# KiCad board nvme Carrier for LattePanda Mu.kicad_pcb (continued)
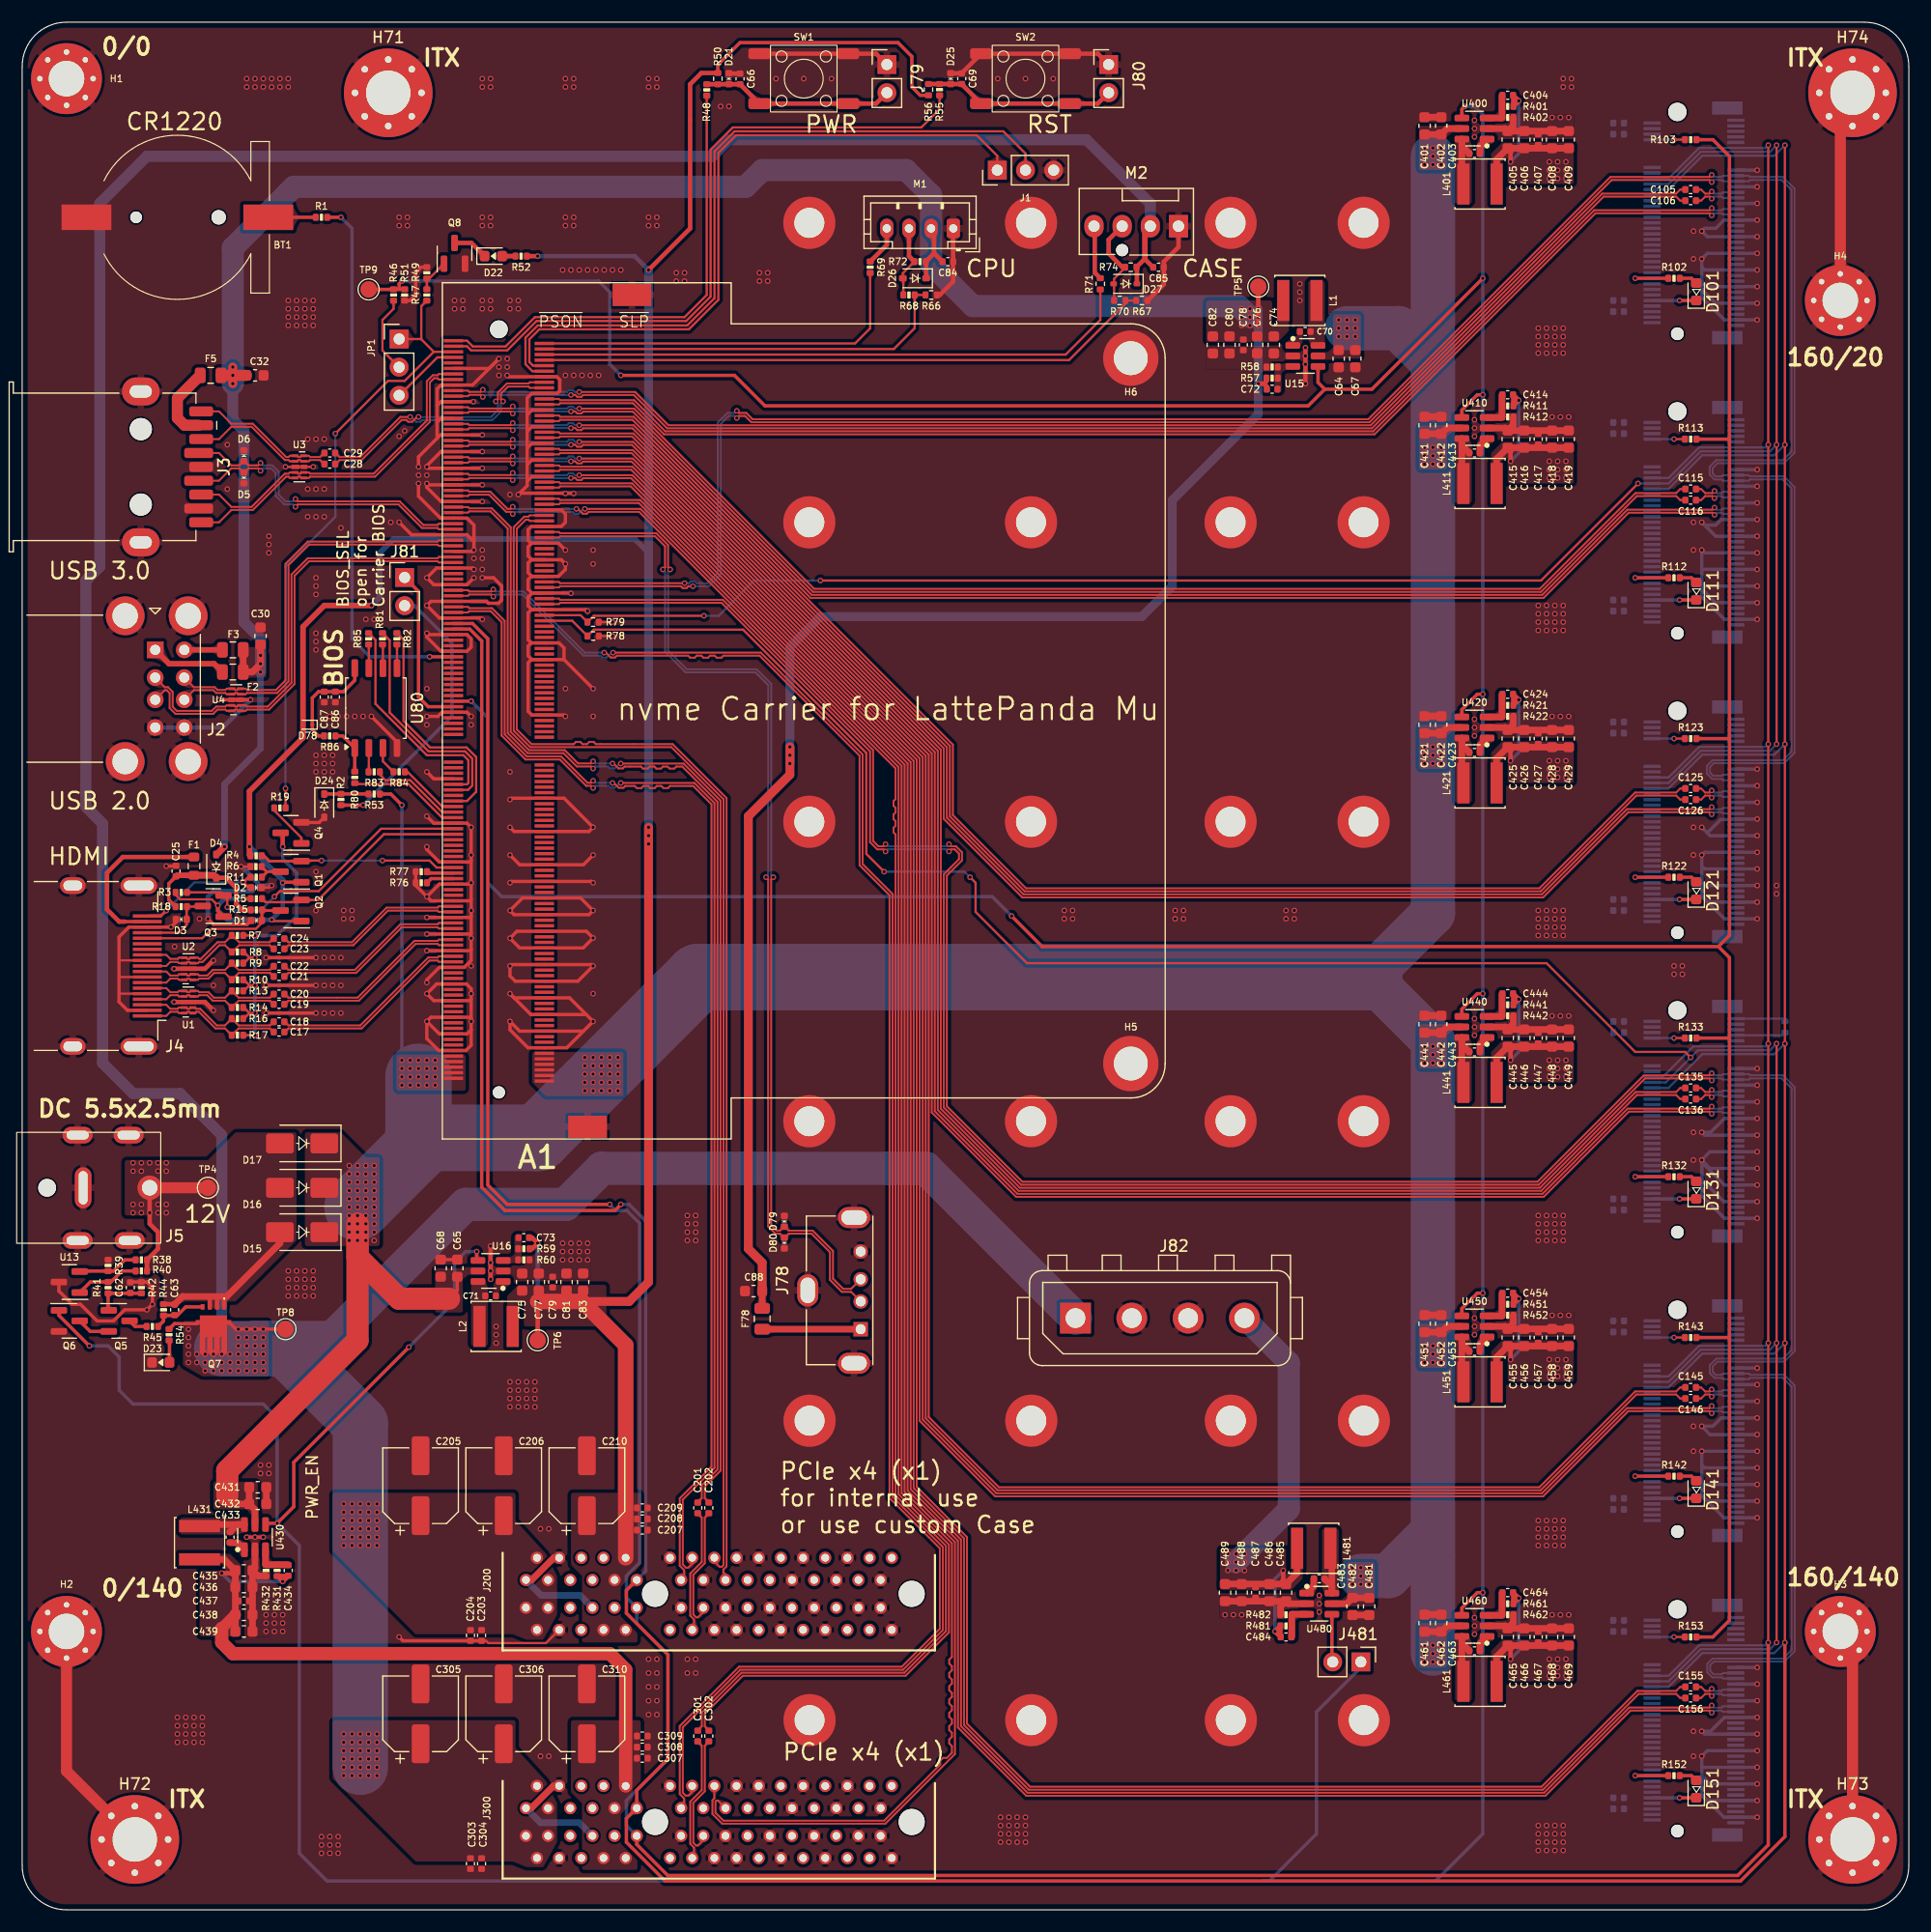
[diagram p0: board, top side]
## Routing (per net, layer and track width the routed paths; a pad name or vN(x,y) marks a point on that pad's centre or on a via; arc(x,y) is an arc through that point) (continued)
  Top w0.4: v1(115.75,140.85) v1(115.75,137.6) ; M1.1 83.97,151.58 83.97,146.8 82.77,145.6 R66.2 ; M2.1 104.3,149.92 102.98,148.6 102.98,146.56 101.52,145.1 R67.2 ; v1(42.25,56.85) v1(42.25,59.85) ; v1(17.25,85.6) 17.24,85.6 16.49,84.85 v1(13.7,84.85) ; v1(13.7,81.85) 16.49,81.85 17.24,81.1 v1(17.25,81.1) ; J80.1 97.02,167.35 SW2.2 SW2.2 84.75,165.6 C69.2 83.76,165.58 83.75,165.59 ; SW1.2 SW1.2 77.02,167.35 J79.1 ; D21.1 63.77,165.56 C66.2 64.75,165.6
  Top w0.6: C455.1 C459.1 ; C455.1 133.77,52.6 U450.2 ; C455.1 134.5,52.88 134.5,53.6 ; C462.1 C461.1 ; U420.2 133.77,106.6 C425.1 ; C435.1 C439.1 ; C435.1 21.27,30.1 22,30.1 ; C435.1 21,30.83 U430.2 ; C452.1 C451.1 ; 134.5,26.6 134.5,25.88 C465.1 ; 134.5,80.6 134.5,79.88 C445.1 ; C425.1 C429.1 ; C425.1 134.5,106.88 134.5,107.6 ; C415.1 133.77,133.6 U410.2 ; C415.1 134.5,133.88 134.5,134.6 ; C415.1 C419.1 ; C485.1 C489.1 ; C485.1 114.22,27.6 U480.2 ; C485.1 113.5,27.33 113.5,26.6 ; C412.1 C411.1 ; 134.5,161.6 134.5,160.88 C405.1 ; C402.1 C401.1 ; C442.1 C441.1 ; U460.2 133.77,25.6 C465.1 ; U440.2 133.77,79.6 C445.1 ; J200.A1 45.95,29.74 47.95,31.74 J200.A4 ; C405.1 133.77,160.6 U400.2 ; C405.1 C409.1 ; J300.A1 45.92,9.17 47.92,11.17 J300.A4 ; C445.1 C449.1 ; C482.1 C481.1 ; C432.1 C431.1 ; C465.1 C469.1 ; C422.1 C421.1
  Top w1: H3.1 165.1,24 H73.1 ; H74.1 164,162.73 H4.1 ; H72.1 4,12.51 H2.1
  Bottom w0.2: 159,80.11 158.76,80.35 J130.75
  Bottom w0.3: 151.5,94.1 151.75,93.85 J120.21 v1(156.5,93.85) ; 151.5,94.1 151.5,92.6 ; 151.5,94.1 v1(151.5,95.1) 151.75,95.35 J120.27 v1(156.5,95.35) ; v1(156.5,11.35) J150.15 152.25,11.35 151.5,12.1 ; J150.57 v1(156.5,21.85) ; 151.5,10.35 153.5,8.35 J150.3 v1(156.5,8.35) ; 151.5,10.35 152,9.85 J150.9 v1(156.5,9.85) ; 151.5,10.35 151.5,12.1 ; v1(156.5,144.85) J100.9 152.75,144.85 151.5,146.1 ; J120.45 v1(156.5,99.85) ; v1(156.5,122.35) J110.27 151.75,122.35 v1(151.5,122.6) 151.5,120.85 ; J130.51 v1(156.5,74.35) ; J130.57 v1(156.5,75.85) ; v1(156.5,125.35) J110.39 153.25,125.35 152.75,124.85 151.75,124.85 v1(151.5,125.1) 152.75,123.85 J110.33 v1(156.5,123.85) ; 151.5,146.85 152,146.35 J100.15 v1(156.5,146.35) ; 151.5,146.85 151.5,146.1 ; 151.5,146.85 151.5,148.1 ; v1(156.5,36.85) J140.9 152,36.85 151.5,37.35 ; v1(156.5,65.35) J130.15 153.55,65.35 151.5,67.4 v1(151.5,67.6) ; v1(151.5,67.6) 151.5,64.4 153.55,62.35 J130.3 v1(156.5,62.35) ; v1(151.5,67.6) 152.25,66.85 J130.21 v1(156.5,66.85) ; v1(151.5,67.6) 151.5,65.85 153.5,63.85 J130.9 v1(156.5,63.85) ; v1(151.5,67.6) 152.25,68.35 J130.27 v1(156.5,68.35) ; 151.5,37.35 151.5,38.35 ; 151.5,37.35 153.5,35.35 J140.3 v1(156.5,35.35) ; v1(156.5,90.85) J120.9 152.05,90.85 151.5,91.4 ; J110.57 v1(156.5,129.85) ; 151.5,38.35 J140.15 v1(156.5,38.35) ; 151.5,38.35 151.5,40.1 ; 151.5,91.4 151.5,92.6 ; 151.5,91.4 153.55,89.35 J120.3 v1(156.5,89.35) ; 151.5,92.6 151.75,92.35 J120.15 v1(156.5,92.35) ; v1(156.5,147.85) J100.21 151.75,147.85 151.5,148.1 ; J140.51 v1(156.5,47.35) ; 151.5,146.1 151.5,145.4 153.55,143.35 J100.3 v1(156.5,143.35) ; v1(156.5,42.85) J140.33 152.25,42.85 v1(151.5,43.6) 152.5,43.6 153.25,44.35 J140.39 v1(156.5,44.35) ; J110.45 v1(156.5,126.85) ; 152,97.1 152.25,96.85 J120.33 v1(156.5,96.85) ; 152,97.1 v1(151.5,97.6) ; 152,97.1 153.2,98.3 154.52,98.3 J120.39 v1(156.5,98.35) ; J130.45 v1(156.5,72.85) ; v1(156.5,17.35) J150.39 153.55,17.35 152.3,16.1 v1(151.5,16.1) 151.75,15.85 J150.33 v1(156.5,15.85) ; v1(156.5,71.35) J130.39 153.55,71.35 152.3,70.1 v1(151.5,70.1) 151.75,69.85 J130.33 v1(156.5,69.85) ; J120.51 v1(156.5,101.35) ; 151.5,40.1 151.75,39.85 J140.21 v1(156.5,39.85) ; 151.5,40.1 v1(151.5,41.35) J140.27 v1(156.5,41.35) ; 151.5,12.85 v1(151.5,13.85) 152,14.35 J150.27 v1(156.5,14.35) ; 151.5,12.85 J150.21 v1(156.5,12.85) ; 151.5,12.85 151.5,12.1 ; v1(156.5,116.35) J110.3 153.55,116.35 151.5,118.4 151.5,119.1 ; J120.57 v1(156.5,102.85) ; 151.5,148.1 v1(151.5,148.85) 152,149.35 J100.27 v1(156.5,149.35) ; v1(156.5,117.85) J110.9 152.75,117.85 151.5,119.1 ; 151.5,119.1 151.5,119.6 ; 151.5,119.6 151.75,119.35 J110.15 v1(156.5,119.35) ; 151.5,119.6 151.5,120.85 ; J100.57 v1(156.5,156.85) ; v1(156.5,120.85) J110.21 151.5,120.85 ; J150.51 v1(156.5,20.35) ; v1(156.5,152.35) J100.39 153.5,152.35 152.75,151.6 151.75,151.6 v1(151.5,151.35) 152,150.85 J100.33 v1(156.5,150.85) ; J100.45 v1(156.5,153.85) ; J100.51 v1(156.5,155.35) ; J140.57 v1(156.5,48.85) ; J140.45 v1(156.5,45.85) ; J110.51 v1(156.5,128.35) ; J150.45 v1(156.5,18.85)
  Bottom w0.4: J2.4 J2.8 18.1,106.6 v1(20.6,109.1) ; 21.25,92.35 21.25,92.6 19.79,94.06 v1(19.75,94.06) ; 21.25,92.35 v1(22.5,92.35) ; 21.25,92.35 20.75,91.85 17.25,91.85 16.75,91.35 v1(16.75,89.35)
  Bottom w0.6: J200.A1 46.83,28.35 50.33,28.35 J200.B7 ; J300.B7 50.26,7.85 46.76,7.85 J300.A1
  vias: v1(13.75,86.85) v1(14,17.35) v1(14,16.6) v1(14,15.85) v1(14,15.1) v1(14.75,17.35) v1(14.75,16.6) v1(14.75,15.85) v1(14.75,15.1) v1(15.5,17.35) v1(15.5,16.6) v1(15.5,15.85) v1(15.5,15.1) v1(16,89.35) v1(16.25,17.35) v1(16.25,16.6) v1(16.25,15.85) v1(16.25,15.1) v1(17.25,83.35) v1(18.5,132.1) v1(18.5,128.1) v1(20.25,165.1) v1(20.25,164.35) v1(21,165.1) v1(21,164.35) v1(21.5,40.1) v1(21.5,39.35) v1(21.75,165.1) v1(21.75,164.35) v1(22,26.6) v1(22,25.85) v1(22,25.1) v1(22.25,123.85) v1(22.25,123.1) v1(22.25,122.35) v1(22.25,40.1) v1(22.25,39.35) v1(22.5,165.1) v1(22.5,164.35) v1(22.75,26.6) v1(22.75,25.85) v1(22.75,25.1) v1(23.25,165.1) v1(23.25,164.35) v1(23.5,26.6) v1(23.5,25.85) v1(23.5,25.1) v1(24,165.1) v1(24,164.35) v1(24,145.1) v1(24,144.35) v1(24,143.6) v1(24,142.85) v1(24,57.6) v1(24,56.85) v1(24,56.1) v1(24,55.35) v1(24.75,145.1) v1(24.75,144.35) v1(24.75,143.6) v1(24.75,142.85) v1(24.75,57.6) v1(24.75,56.85) v1(24.75,56.1) v1(24.75,55.35) v1(25.5,145.1) v1(25.5,144.35) v1(25.5,143.6) v1(25.5,142.85) v1(25.5,57.6) v1(25.5,56.85) v1(25.5,56.1) v1(25.5,55.35) v1(25.75,132.6) v1(25.75,128.1) v1(25.75,125.6) v1(26.25,145.1) v1(26.25,144.35) v1(26.25,143.6) v1(26.25,142.85) v1(26.25,57.6) v1(26.25,56.85) v1(26.25,56.1) v1(26.25,55.35) v1(26.5,132.6) v1(26.5,128.1) v1(26.5,125.6) v1(26.5,120.1) v1(26.5,119.35) v1(26.5,118.6) v1(26.5,115.1) v1(26.5,114.35) v1(26.5,113.6) v1(26.5,104.1) v1(26.5,103.35) v1(26.5,102.6) v1(26.5,93.6) v1(26.5,90.1) v1(27,6.6) v1(27,5.85) v1(27,5.1) v1(27.25,132.6) v1(27.25,128.1) v1(27.25,125.6) v1(27.25,104.1) v1(27.25,103.35) v1(27.25,102.6) v1(27.25,85.85) v1(27.25,83.35) v1(27.25,80.85) v1(27.75,107.6) v1(27.75,6.6) v1(27.75,5.85) v1(27.75,5.1) v1(28,104.1) v1(28,103.35) v1(28,102.6) v1(28.5,107.6) v1(28.5,6.6) v1(28.5,5.85) v1(28.5,5.1) v1(28.75,124.6) v1(28.75,85.85) v1(28.75,83.35) v1(28.75,80.85) v1(29,89.35) v1(29.25,107.6) v1(29.75,90.1) v1(29.75,89.35) v1(30,107.6) v1(30.75,107.6) v1(31,116.35) v1(31.75,116.35) v1(33.25,125.1) v1(34,152.6) v1(34,151.85) v1(34,132.85) v1(34.5,133.35) v1(34.75,152.6) v1(34.75,151.85) v1(35.75,129.35) v1(36.5,129.35) v1(36.5,110.1) v1(36.5,106.85) v1(39,145.1) v1(39,144.35) v1(39.75,145.1) v1(39.75,144.35) v1(40.5,106.85) v1(40.5,95.1) v1(40.5,90.1) v1(40.5,87.6) v1(40.5,85.1) v1(40.5,82.6) v1(40.5,80.1) v1(40.75,121.85) v1(41.5,165.1) v1(41.5,164.35) v1(41.5,152.6) v1(41.5,151.85) v1(41.5,145.1) v1(41.5,144.35) v1(41.5,122.6) v1(41.5,121.85) v1(41.5,120.85) v1(42.25,165.1) v1(42.25,164.35) v1(42.25,152.6) v1(42.25,151.85) v1(42.25,145.1) v1(42.25,144.35) v1(42.25,58.35) v1(42.25,57.6) v1(42.75,52.6) v1(42.75,51.85) v1(42.75,51.1) v1(43,139.1) v1(43,138.35) v1(43.75,139.85) v1(43.75,139.1) v1(44,145.1) v1(44,144.35) v1(44,127.6) v1(44,102.6) v1(44,47.6) v1(44,46.85) v1(44,46.1) v1(44,45.35) v1(44.75,145.1) v1(44.75,144.35) v1(44.75,47.6) v1(44.75,46.85) v1(44.75,46.1) v1(44.75,45.35) v1(45.5,47.6) v1(45.5,46.85) v1(45.5,46.1) v1(45.5,45.35) v1(46.25,47.6) v1(46.25,46.85) v1(46.25,46.1) v1(46.25,45.35) v1(47.5,34.35) v1(47.5,13.85) v1(48.75,147.85) v1(48.75,60.1) v1(48.75,59.35) v1(48.75,58.6) v1(49,165.1) v1(49,164.35) v1(49,152.6) v1(49,151.85) v1(49,138.35) v1(49,127.7) v1(49,110.1) v1(49.5,147.85) v1(49.5,60.1) v1(49.5,59.35) v1(49.5,58.6) v1(49.75,165.1) v1(49.75,164.35) v1(49.75,152.6) v1(49.75,151.85) v1(49.75,138.35) v1(50.25,147.85) v1(50.25,60.1) v1(50.25,59.35) v1(50.25,58.6) v1(50.5,138.35) v1(51,147.85) v1(51,60.1) v1(51,59.35) v1(51,58.6) v1(51.25,138.35) v1(51.5,122.6) v1(51.5,121.35) v1(51.5,107.6) v1(51.5,82.6) v1(51.75,147.85) v1(52,138.35) v1(52.5,147.85) v1(53.25,147.85) v1(54,147.85) v1(56.5,165.1) v1(56.5,164.35) v1(56.5,152.6) v1(56.5,151.85) v1(56.5,22.6) v1(56.5,21.35) v1(56.5,20.1) v1(56.5,18.85) v1(56.5,17.6) v1(57.25,165.1) v1(57.25,164.35) v1(57.25,152.6) v1(57.25,151.85) v1(57.25,22.6) v1(57.25,21.35) v1(57.25,20.1) v1(57.25,18.85) v1(57.25,17.6) v1(59,147.6) v1(59,146.85) v1(59.75,147.6) v1(59.75,146.85) v1(60,62.6) v1(60,61.85) v1(60,61.1) v1(60,60.35) v1(60,22.6) v1(60,21.35) v1(60.75,62.6) v1(60.75,61.85) v1(60.75,61.1) v1(60.75,60.35) v1(60.75,22.6) v1(60.75,21.35) v1(63,162.6) v1(63.75,162.6) v1(66.5,147.6) v1(66.5,146.85) v1(67.25,147.6) v1(67.25,146.85) v1(68,165.1) v1(73,165.1) v1(88,165.1) v1(88.25,8.35) v1(88.25,7.6) v1(88.25,6.85) v1(88.25,6.1) v1(89,8.35) v1(89,7.6) v1(89,6.85) v1(89,6.1) v1(89.75,8.35) v1(89.75,7.6) v1(89.75,6.85) v1(89.75,6.1) v1(90.5,165.1) v1(90.5,8.35) v1(90.5,7.6) v1(90.5,6.85) v1(90.5,6.1) v1(93,165.1) v1(94.75,90.1) v1(94.75,89.35) v1(104,90.1) v1(104.75,90.1) v1(104.75,89.35) v1(108.5,26.6) v1(109.25,26.6) v1(110,26.6) v1(114,90.1) v1(114.75,90.1) v1(114.75,89.35) v1(115.25,146.6) v1(115.25,145.85) v1(115.25,145.1) v1(115.75,140.1) v1(115.75,139.35) v1(117,28.35) v1(117,27.6) v1(117,26.85) v1(131,161.35) v1(131,160.6) v1(131,159.85) v1(131,134.35) v1(131,133.6) v1(131,132.85) v1(131,107.35) v1(131,106.6) v1(131,105.85) v1(131,80.35) v1(131,79.6) v1(131,78.85) v1(131,53.35) v1(131,52.6) v1(131,51.85) v1(131,26.35) v1(131,25.6) v1(131,24.85) v1(136.75,142.6) v1(136.75,141.85) v1(136.75,141.1) v1(136.75,140.35) v1(136.75,117.6) v1(136.75,116.85) v1(136.75,116.1) v1(136.75,115.35) v1(136.75,90.1) v1(136.75,89.35) v1(136.75,88.6) v1(136.75,87.85) v1(136.75,62.6) v1(136.75,61.85) v1(136.75,61.1) v1(136.75,60.35) v1(136.75,35.1) v1(136.75,34.35) v1(136.75,33.6) v1(136.75,32.85) v1(136.75,7.6) v1(136.75,6.85) v1(136.75,6.1) v1(136.75,5.35) v1(137.5,142.6) v1(137.5,141.85) v1(137.5,141.1) v1(137.5,140.35) v1(137.5,117.6) v1(137.5,116.85) v1(137.5,116.1) v1(137.5,115.35) v1(137.5,90.1) v1(137.5,89.35) v1(137.5,88.6) v1(137.5,87.85) v1(137.5,62.6) v1(137.5,61.85) v1(137.5,61.1) v1(137.5,60.35) v1(137.5,35.1) v1(137.5,34.35) v1(137.5,33.6) v1(137.5,32.85) v1(137.5,7.6) v1(137.5,6.85) v1(137.5,6.1) v1(137.5,5.35) v1(138,161.6) v1(138,134.6) v1(138,107.6) v1(138,80.6) v1(138,53.6) v1(138,26.6) v1(138.25,142.6) v1(138.25,141.85) v1(138.25,141.1) v1(138.25,140.35) v1(138.25,117.6) v1(138.25,116.85) v1(138.25,116.1) v1(138.25,115.35) v1(138.25,90.1) v1(138.25,89.35) v1(138.25,88.6) v1(138.25,87.85) v1(138.25,62.6) v1(138.25,61.85) v1(138.25,61.1) v1(138.25,60.35) v1(138.25,35.1) v1(138.25,34.35) v1(138.25,33.6) v1(138.25,32.85) v1(138.25,7.6) v1(138.25,6.85) v1(138.25,6.1) v1(138.25,5.35) v1(138.75,161.6) v1(138.75,134.6) v1(138.75,107.6) v1(138.75,80.6) v1(138.75,53.6) v1(138.75,26.6) v1(139,142.6) v1(139,141.85) v1(139,141.1) v1(139,140.35) v1(139,117.6) v1(139,116.85) v1(139,116.1) v1(139,115.35) v1(139,90.1) v1(139,89.35) v1(139,88.6) v1(139,87.85) v1(139,62.6) v1(139,61.85) v1(139,61.1) v1(139,60.35) v1(139,35.1) v1(139,34.35) v1(139,33.6) v1(139,32.85) v1(139,7.6) v1(139,6.85) v1(139,6.1) v1(139,5.35) v1(139.5,161.6) v1(139.5,134.6) v1(139.5,107.6) v1(139.5,80.6) v1(139.5,53.6) v1(139.5,26.6) v1(139.75,165.1) v1(139.75,164.35) v1(149.75,85.1) v1(149.75,84.35) v1(158.25,92.35) v1(158.25,91.6)
+BATT: length 49.5
  Top w0.3: v1(36.75,112.98) A1.115 ; v1(28.75,152.6) R1.1
  Bottom w0.3: v1(36.75,112.98) 31.37,112.98 29.75,114.6 29.75,151.6 v1(28.75,152.6)
/CLKREQ3: length 197.4
  Top w0.2: v1(158.25,105.1) v1(158.25,132.1) v1(158.25,159.1) ; A1.100 50.37,116.73 R79.1 51.56,116.67 v1(61.5,116.67) ; v1(145.75,128.6) 137,119.85 v1(72,119.85)
  Bottom w0.2: J100.52 148.51,155.6 151.41,158.5 157.65,158.5 v1(158.25,159.1) ; v1(72,119.85) 66,119.85 62.82,116.67 v1(61.5,116.67) ; v1(145.75,128.6) J110.52 148.51,128.6 151.41,131.5 157.65,131.5 v1(158.25,132.1) ; v1(158.25,105.1) 157.65,104.5 151.41,104.5 148.51,101.6 J120.52
/Fan_Temp/FAN_1_PWM: length 35
  Top w0.2: R69.1 76.49,142.59 75.12,141.23 A1.2
/Fan_Temp/FAN_1_TAC: length 38.2
  Top w0.2: A1.4 78.62,140.73 80.5,142.6 R68.2 R66.1
/Fan_Temp/FAN_2_PWM: length 54.2
  Top w0.2: R71.1 97.25,143.35 94.12,140.23 A1.6
/Fan_Temp/FAN_2_TAC: length 55.8
  Top w0.2: R67.1 R70.1 99.51,144.81 94.42,139.73 A1.8
/HDMI/DDC_SCL: length 13.8
  Top w0.2: 21.61,88.98 21.08,88.45 17.09,88.45 16.24,87.6 J4.15
  Top w0.25: Q2.3 21.7,90.1 R15.2 21.63,90.15 21.63,89 21.61,88.98
/HDMI/DDC_SDA: length 7
  Top w0.205: R18.2 16.24,90.45 Q3.3 ; R18.2 14.84,90.43 D3.2 14.84,88.81 14.12,88.1 J4.16 ; R18.2 14.92,90.51
/HDMI/DDI_B_DDC_SCL: length 19.9
  Top w0.209: A1.171 32.62,96.98 26.7,91.05 Q2.2 24.99,90.85 21.95,90.85 R5.2
/HDMI/DDI_B_DDC_SDA: length 28.2
  Top w0.2: Q3.2 18.5,91.12 v1(18.5,90.4) ; v1(22.75,91.35) 23.25,91.85 26.75,91.85 32.37,97.48 A1.169
  Top w0.205: Q3.2 17.89,91.74 R3.2
  Bottom w0.2: v1(22.75,91.35) 21.5,90.1 18.8,90.1 v1(18.5,90.4)
/HDMI/DDI_B_HPD: length 17.8
  Top w0.2: A1.183 37.37,93.98 36.75,94.6 v1(32.5,94.6)
  Top w0.209: Q1.2 25.24,94.6 v1(27,94.6)
  Top w0.25: R4.2 21.82,95.03 22.3,94.55 Q1.2
  Bottom w0.2: v1(27,94.6) v1(32.5,94.6)
/HDMI/DDI_B_TX0+: length 18
  Top w0.171: C17.1 23.68,79.15 24,79.47 30.62,79.47 36.74,85.59 37.47,85.59 37.59,85.48 A1.217
/HDMI/DDI_B_TX0-: length 18
  Top w0.171: C18.1 23.68,80.07 24,79.74 30.51,79.74 36.63,85.86 37.47,85.86 37.59,85.98 A1.215
/HDMI/DDI_B_TX1+: length 17.6
  Top w0.171: C19.1 23.68,81.65 24,81.97 30.37,81.97 35.49,87.09 37.47,87.09 37.59,86.98 A1.211
/HDMI/DDI_B_TX1-: length 17.6
  Top w0.171: A1.209 37.59,87.48 37.47,87.36 35.38,87.36 30.26,82.24 24,82.24 23.68,82.57 C20.1
/HDMI/DDI_B_TX2+: length 17.1
  Top w0.171: C21.1 23.68,84.15 24,84.48 30.13,84.48 34.24,88.59 37.47,88.59 37.59,88.48 A1.205
/HDMI/DDI_B_TX2-: length 17.1
  Top w0.171: C22.1 23.68,85.07 24,84.75 30.01,84.75 34.13,88.86 37.47,88.86 37.59,88.98 A1.203
/HDMI/DDI_B_TX3+: length 16.7
  Top w0.171: C23.1 23.68,86.64 24,86.97 29.87,86.97 32.99,90.09 37.47,90.09 37.59,89.98 A1.199
/HDMI/DDI_B_TX3-: length 16.7
  Top w0.171: A1.197 37.59,90.48 37.47,90.36 32.88,90.36 29.76,87.24 24,87.24 23.68,87.56 C24.1
/HDMI/HPD: length 11.7
  Top w0.25: J4.19 12.5,89.6 v1(13,90.1) ; D2.2 20.41,92.16 v1(19.94,92.63) 20.42,93.11 R11.2
  Bottom w0.2: v1(19.94,92.63) 15.53,92.63 v1(13,90.1)
/HDMI/TMDS_CK+: length 13.1
  Top w0.171: J4.10 13,85.1 13.36,85.46 14.03,85.46 14.14,85.35 U2.7 14.8,85.35 14.91,85.46 15.09,85.46 15.2,85.35 U2.4 15.86,85.35 15.97,85.46 16.28,85.46 17.78,86.97 18.3,86.97 R8.1 ; 22.66,86.64 22.34,86.97 21.25,86.97 21.25,86.97 19.57,86.97 18.96,86.36
  Top w0.205: 18.86,86.36 R8.1 18.96,86.36 ; 18.91,86.37 18.86,86.37 ; 22.66,86.64 C23.2
/HDMI/TMDS_CK-: length 13.1
  Top w0.171: 22.66,87.56 22.34,87.24 21.36,87.24 21.35,87.24 19.57,87.24 18.96,87.86 ; R7.1 18.3,87.24 17.62,87.24 16.12,85.74 15.97,85.74 15.86,85.85 U2.5 15.2,85.85 15.09,85.74 14.91,85.74 14.8,85.85 U2.6 14.14,85.85 14.03,85.74 13.36,85.74 13,86.1 J4.12
  Top w0.205: 18.96,87.86 R7.1 18.86,87.86 ; 18.91,87.77 18.86,87.77 ; 22.66,87.56 C24.2
/HDMI/TMDS_D0+: length 12.6
  Top w0.171: C21.2 22.37,84.48 19.86,84.48 19.85,84.47 19.52,84.47 R10.1 18.3,84.47 17.31,84.47 16.81,83.96 15.97,83.96 15.86,83.85 U2.1 15.2,83.85 15.09,83.96 14.91,83.96 14.8,83.85 U2.10 14.14,83.85 14.03,83.96 13.36,83.96 13,83.6 J4.7
/HDMI/TMDS_D0-: length 12.6
  Top w0.171: J4.9 13,84.6 13.36,84.24 14.03,84.24 14.14,84.35 U2.9 14.8,84.35 14.91,84.24 15.09,84.24 15.2,84.35 U2.2 15.86,84.35 15.97,84.24 16.69,84.24 17.2,84.74 18.3,84.74 R9.1 19.52,84.74 19.75,84.74 19.76,84.75 22.37,84.75 C22.2
/HDMI/TMDS_D1+: length 12.6
  Top w0.171: J4.4 13,82.1 13.36,82.46 14.03,82.46 14.14,82.35 U1.7 14.8,82.35 14.91,82.46 15.09,82.46 15.2,82.35 U1.4 15.86,82.35 15.97,82.46 16.69,82.46 17.19,81.97 18.3,81.97 R14.1 19.52,81.97 22.37,81.97 C19.2
/HDMI/TMDS_D1-: length 12.6
  Top w0.171: J4.6 13,83.1 13.36,82.74 14.03,82.74 14.14,82.85 U1.6 14.8,82.85 14.91,82.74 15.09,82.74 15.2,82.85 U1.5 15.86,82.85 15.97,82.74 16.81,82.74 17.3,82.24 18.3,82.24 R13.1 19.52,82.24 22.37,82.24 C20.2
/HDMI/TMDS_D2+: length 13
  Top w0.171: C17.2 22.37,79.47 19.52,79.47 R17.1 18.3,79.47 17.44,79.47 15.94,80.96 15.69,80.96 15.57,80.85 U1.1 15.2,80.85 15.09,80.96 14.91,80.96 14.8,80.85 U1.10 14.14,80.85 14.03,80.96 13.36,80.96 13,80.6 J4.1
/HDMI/TMDS_D2-: length 13
  Top w0.171: C18.2 22.37,79.74 19.52,79.74 R16.1 18.3,79.74 17.55,79.74 16.06,81.24 15.69,81.24 15.57,81.35 U1.2 15.2,81.35 15.09,81.24 14.91,81.24 14.8,81.35 U1.9 14.14,81.35 14.03,81.24 13.36,81.24 13,81.6 J4.3
/LattePanda Module/CLKREQ4: length 219.1
  Top w0.2: v1(150.5,76.85) 150,77.35 145.5,77.35 137.5,85.35 90.62,85.35 86,89.98 86,92.6 v1(85.5,93.1) ; v1(158.25,78.1) v1(158.25,51.1) v1(158.25,24.1) ; v1(77.75,93.6) 76.14,95.21 76.14,104.31 65.03,115.42 51.56,115.42 R78.1 49.62,116.23 A1.102
  Bottom w0.2: v1(158.25,78.1) 157.65,77.5 151.15,77.5 150.5,76.85 v1(150.5,76.85) 150.5,76.85 148.25,74.6 J130.52 ; v1(158.25,24.1) 157.65,23.5 151.41,23.5 148.51,20.6 J150.52 ; J140.52 148.51,47.6 151.41,50.5 157.65,50.5 v1(158.25,51.1) ; v1(77.75,93.6) 85,93.6 v1(85.5,93.1)
/LattePanda Module/HSIO_0_RX+: length 23.2
  Top w0.171: A1.16 45.79,137.73 45.67,137.61 43.72,137.61 42.91,136.81 42.91,136.19 v1(42.73,136) ; v1(35.75,134.6) 35.62,134.6 35.18,134.16 34.82,134.16 34.65,134.33 34.23,134.33 30.61,130.71 28.62,130.71 28.26,130.35 C28.1
  Bottom w0.171: v1(42.73,136) 42.91,135.81 42.91,135.21 42.31,134.6 v1(35.75,134.6)
/LattePanda Module/HSIO_0_RX-: length 23.2
  Top w0.171: v1(35,134.6) 34.12,134.6 30.5,130.99 28.62,130.99 28.26,131.35 C29.1 ; v1(43.37,136) 43.19,136.19 43.19,136.69 43.83,137.34 45.67,137.34 45.79,137.23 A1.18
  Bottom w0.171: v1(43.37,136) 43.19,135.81 43.19,135.09 42.42,134.33 36.1,134.33 35.93,134.16 35.54,134.16 35.1,134.6 v1(35,134.6)
/LattePanda Module/HSIO_1_RX+: length 117.1
  Top w0.171: A1.22 48.41,136.23 48.53,136.11 55.2,136.11 58.01,133.31 121.87,133.31 141.8,153.24 152.21,153.24 v1(152.4,153.43)
  Bottom w0.171: J100.43 153.41,153.35 153.3,153.24 152.59,153.24 v1(152.4,153.43)
/LattePanda Module/HSIO_1_RX-: length 117.1
  Top w0.171: A1.24 48.41,135.73 48.53,135.84 55.09,135.84 57.89,133.03 121.98,133.03 141.91,152.96 152.21,152.96 v1(152.4,152.78)
  Bottom w0.171: v1(152.4,152.78) 152.59,152.96 153.3,152.96 153.41,152.85 J100.41
/LattePanda Module/HSIO_1_TX+: length 121.5
  Top w0.171: v1(50.25,136.85) 55.29,136.85 58.29,133.85 121.65,133.85 142.53,154.74 149.19,154.74 149.55,155.1 C105.1 ; v1(41.55,137.05) 41.36,136.86 40.33,136.86 40.21,136.98 A1.19
  Bottom w0.171: v1(50.25,136.85) 49.86,136.85 49.68,137.03 49.32,137.03 49.15,136.86 41.74,136.86 v1(41.55,137.05)
/LattePanda Module/HSIO_1_TX-: length 121.5
  Top w0.171: C106.1 149.55,154.1 149.19,154.46 142.64,154.46 121.76,133.58 58.18,133.58 55.18,136.58 50.6,136.58 50.43,136.41 50.07,136.41 49.89,136.59 v1(49.5,136.59) ; v1(41.55,136.4) 41.36,136.59 40.33,136.59 40.21,136.48 A1.21
  Bottom w0.171: v1(41.55,136.4) 41.74,136.59 v1(49.5,136.59)
/LattePanda Module/HSIO_2_RX+: length 117.6
  Top w0.171: A1.28 48.41,134.73 48.53,134.61 55.16,134.61 71.22,118.56 137.12,118.56 144.8,126.24 152.46,126.24 v1(152.65,126.43)
  Bottom w0.171: J110.43 153.41,126.35 153.3,126.24 152.84,126.24 v1(152.65,126.43)
/LattePanda Module/HSIO_2_RX-: length 117.6
  Top w0.171: v1(152.65,125.78) 152.46,125.96 144.91,125.96 137.23,118.28 71.11,118.28 55.05,134.34 48.53,134.34 48.41,134.23 A1.30
  Bottom w0.171: v1(152.65,125.78) 152.84,125.96 153.3,125.96 153.41,125.85 J110.41
/LattePanda Module/HSIO_2_TX+: length 121.9
  Top w0.171: v1(44.25,135.55) 44.06,135.36 40.33,135.36 40.21,135.48 A1.25 ; C115.1 149.55,128.1 149.19,127.74 145.53,127.74 136.89,119.1 71.44,119.1 55.19,135.35 v1(50.25,135.35)
  Bottom w0.171: v1(44.25,135.55) 44.44,135.36 49.14,135.36 49.32,135.54 49.68,135.54 49.87,135.35 v1(50.25,135.35)
/LattePanda Module/HSIO_2_TX-: length 121.9
  Top w0.171: C116.1 149.55,127.1 149.19,127.46 145.64,127.46 137,118.83 71.33,118.83 55.08,135.08 50.6,135.08 50.43,134.91 50.07,134.91 49.88,135.1 v1(49.5,135.1) ; A1.27 40.21,134.98 40.33,135.09 44.06,135.09 v1(44.25,134.9)
  Bottom w0.171: v1(44.25,134.9) 44.44,135.09 49.49,135.09 v1(49.5,135.1)
/LattePanda Module/HSIO_3_RX+: length 131.8
  Top w0.171: v1(152.4,99.43) 152.21,99.24 144.76,99.24 137.08,91.56 90.32,91.56 83.41,98.47 83.41,104.83 55.12,133.11 48.53,133.11 48.41,133.23 A1.34
  Bottom w0.171: J120.43 153.41,99.35 153.3,99.24 152.59,99.24 v1(152.4,99.43)
/LattePanda Module/HSIO_3_RX-: length 131.8
  Top w0.171: A1.36 48.41,132.73 48.53,132.84 55.01,132.84 83.13,104.72 83.13,98.36 90.21,91.28 137.2,91.28 144.88,98.96 152.21,98.96 v1(152.4,98.78)
  Bottom w0.171: v1(152.4,98.78) 152.59,98.96 153.3,98.96 153.41,98.85 J120.41
/LattePanda Module/HSIO_3_TX+: length 136.2
  Top w0.171: v1(50.25,133.85) 55.15,133.85 83.95,105.05 83.95,98.7 90.55,92.1 136.86,92.1 145.49,100.74 149.19,100.74 149.55,101.1 C125.1 ; A1.31 40.21,133.98 40.33,133.86 44.06,133.86 v1(44.25,134.05)
  Bottom w0.171: v1(50.25,133.85) 49.87,133.85 49.68,134.04 49.32,134.04 49.14,133.86 44.44,133.86 v1(44.25,134.05)
/LattePanda Module/HSIO_3_TX-: length 136.2
  Top w0.171: A1.33 40.21,133.48 40.33,133.59 44.06,133.59 v1(44.25,133.4) ; v1(49.5,133.6) 49.88,133.6 50.07,133.41 50.43,133.41 50.6,133.58 55.04,133.58 83.68,104.94 83.68,98.59 90.44,91.83 136.97,91.83 145.61,100.46 149.19,100.46 149.55,100.1 C126.1
  Bottom w0.171: v1(49.5,133.6) 49.49,133.59 44.44,133.59 v1(44.25,133.4)
/LattePanda Module/HSIO_6_RX+: length 113.5
  Top w0.171: J200.A16 62.44,31.41 62.93,30.92 63.1,30.92 63.26,31.08 63.26,100.13 58.56,104.83 45.83,104.83 44.34,106.32 44.34,124.66 45.29,125.61 45.67,125.61 45.79,125.73 A1.64
/LattePanda Module/HSIO_6_RX-: length 113.5
  Top w0.171: A1.66 45.79,125.23 45.67,125.34 45.43,125.34 44.61,124.52 44.61,106.43 45.94,105.1 49.75,105.1 49.95,105.3 50.35,105.3 50.55,105.1 50.95,105.1 51.15,105.3 51.55,105.3 51.75,105.1 55.14,105.1 58.67,105.1 63.54,100.24 63.54,30.97 63.25,30.69 63.25,30.42 63.44,30.23 J200.A17
